# KiCad board m-blanc.kicad_pcb (continued)
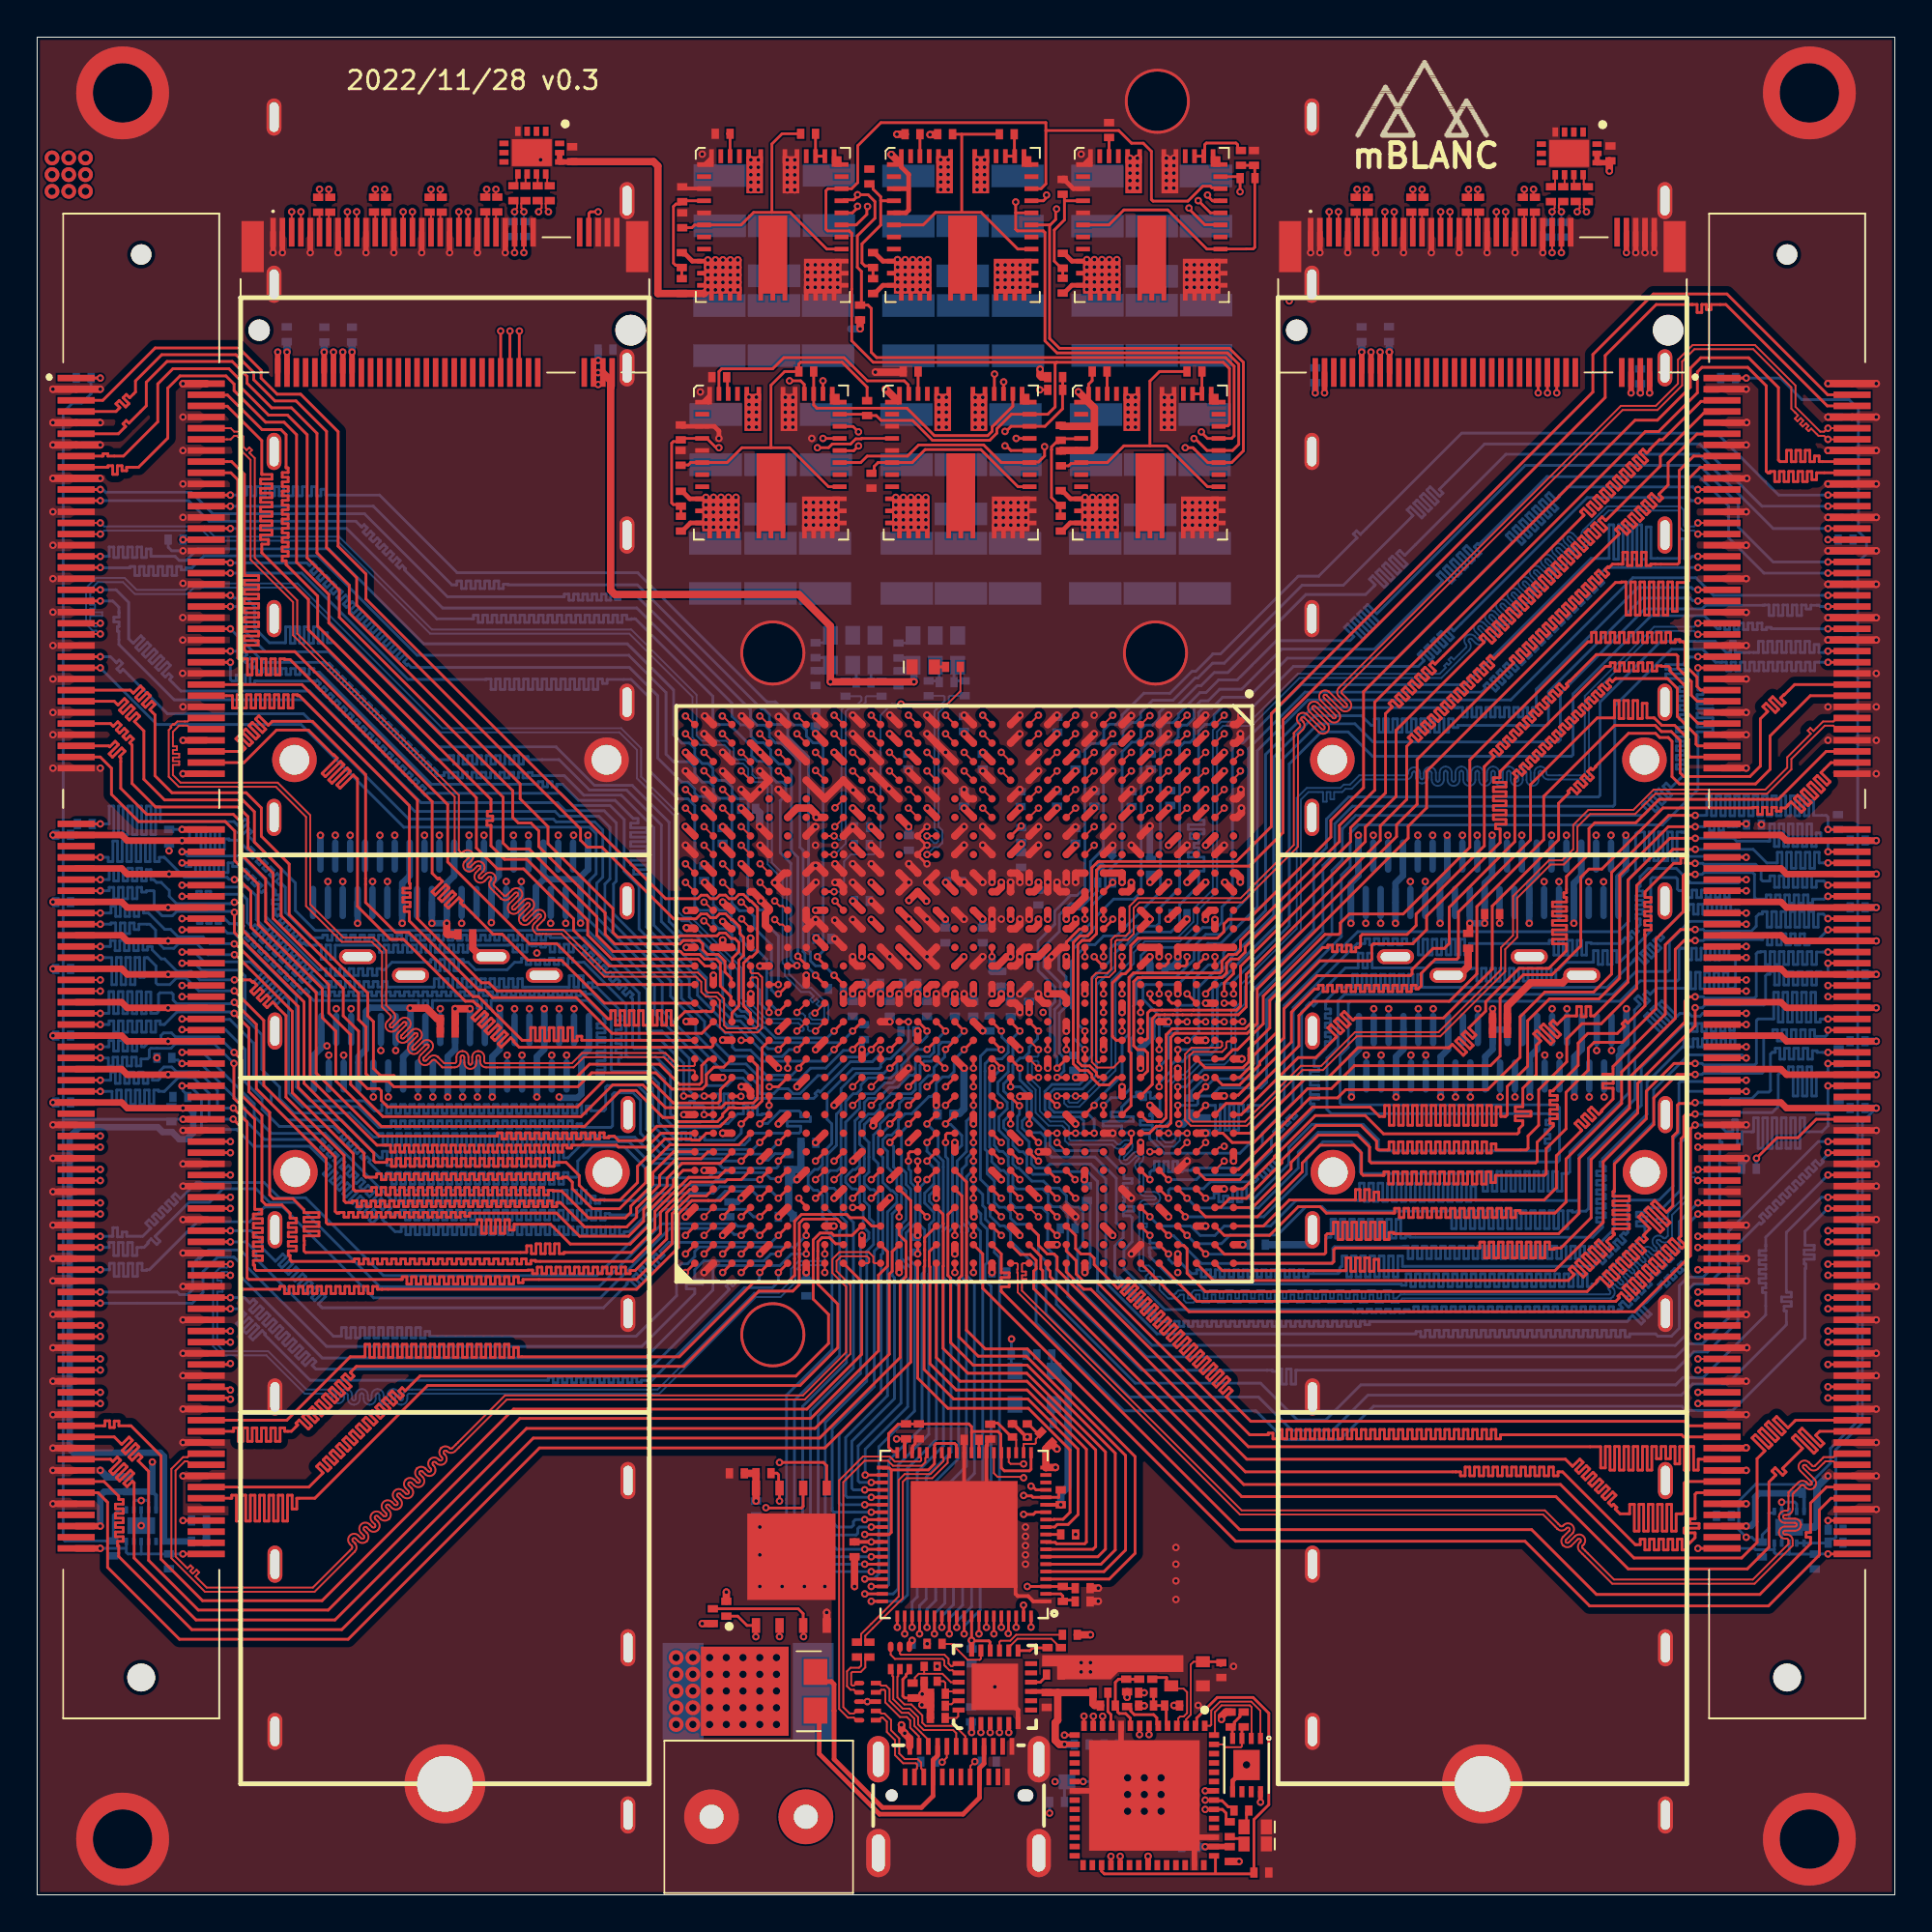
[diagram p0: board, top side]
## Routing (per net, layer and track width the routed paths; a pad name or vN(x,y) marks a point on that pad's centre or on a via; arc(x,y) is an arc through that point) (continued)
VIN: length 4.6
  Top Layer w0.15: VR6.40 38.63,92.8 v1(38.82,93) ; VR6.40 v1(38.42,92.59) ; VR6.40 38.82,92.4 v1(38.82,92.19) v1(38.82,91.79) ; VR6.40 38.63,92.39 ; VR6.40 v1(38.82,92.59) ; VR6.40 38.42,92.8 v1(38.42,93) v1(38.42,93.4) ; 38.63,92.39 38.63,91.99 v1(38.42,91.79) ; 38.63,92.39 v1(38.42,92.19) ; v1(53.97,81.02) 54.4,81.02 R39.2 ; v1(38.82,93.4) 38.95,93.53 VR6.40 38.95,93.67
  vias: v1(38.32,80.62) v1(38.32,80.22) v1(38.32,79.82) v1(38.32,79.41) v1(38.32,79.01) v1(38.72,80.62) v1(38.72,80.22) v1(38.72,79.82) v1(38.72,79.41) v1(38.72,79.01) v1(48.54,80.61) v1(48.54,80.21) v1(48.54,79.81) v1(48.54,79.41) v1(48.54,79) v1(48.64,93.41) v1(48.64,93.01) v1(48.64,92.6) v1(48.64,92.2) v1(48.64,91.8) v1(48.94,80.61) v1(48.94,80.21) v1(48.94,79.81) v1(48.94,79.41) v1(48.94,79) v1(49.04,93.41) v1(49.04,93.01) v1(49.04,92.6) v1(49.04,92.2) v1(49.04,91.8) v1(58.72,80.61) v1(58.72,80.21) v1(58.72,79.81) v1(58.72,79.41) v1(58.72,79) v1(58.83,93.48) v1(58.83,93.08) v1(58.83,92.68) v1(58.83,92.28) v1(58.82,91.88) v1(59.12,80.61) v1(59.12,80.21) v1(59.12,79.81) v1(59.12,79.41) v1(59.12,79) v1(59.23,93.48) v1(59.23,93.08) v1(59.23,92.68) v1(59.23,92.28) v1(59.22,91.88) v2(0.8,93.5) v2(0.8,92.6) v2(0.8,91.7) v2(1.7,93.5) v2(1.7,92.6) v2(1.7,91.7) v2(2.6,93.5) v2(2.6,92.6) v2(2.6,91.7) v2(34.4,12.77) v2(34.4,11.87) v2(34.4,10.97) v2(34.4,10.07) v2(34.4,9.17) v2(35.3,12.77) v2(35.3,11.87) v2(35.3,10.97) v2(35.3,10.07) v2(35.3,9.17) v2(36.2,12.77) v2(36.2,11.87) v2(36.2,10.97) v2(36.2,10.07) v2(36.2,9.17) v2(37.1,12.77) v2(37.1,11.87) v2(37.1,10.97) v2(37.1,10.07) v2(37.1,9.17) v2(38,12.77) v2(38,11.87) v2(38,10.97) v2(38,10.07) v2(38,9.17) v2(38.9,12.77) v2(38.9,11.87) v2(38.9,10.97) v2(38.9,10.07) v2(38.9,9.17) v2(39.8,12.77) v2(39.8,11.87) v2(39.8,10.97) v2(39.8,10.07) v2(39.8,9.17)
D1_N: length 11.6
  Top Layer w0.1: v1(59.85,8.62) 59.85,9.09 59.85,9.1
  InLayer2 (Signal) w0.1: v1(50.8,8.74) 50.8,8.67 50.94,8.54 50.94,8.3 51.24,8 52.6,8 53.73,9.13 55.65,9.13 56.98,7.8 59.42,7.8 59.71,8.09 59.71,8.42 59.85,8.56 v1(59.85,8.62)
D1_P: length 10.9
  Top Layer w0.1: v1(59.34,8.63) 59.34,9.09 59.35,9.1
  InLayer2 (Signal) w0.1: v1(51.3,8.74) 51.3,8.67 51.16,8.53 51.16,8.39 51.33,8.22 52.51,8.22 53.64,9.36 55.74,9.36 57.08,8.03 59.33,8.03 59.48,8.18 59.48,8.42 59.34,8.56 v1(59.34,8.63)
D2_N: length 18.6
  Top Layer w0.1: v1(53.1,22.45) 53.05,22.5 51.7,22.5 51.5,22.7 U4.25
  InLayer2 (Signal) w0.1: v1(51.8,8.74) 51.8,8.81 51.94,8.95 51.94,9.25 53.95,11.26 53.95,22.56 53.8,22.71 53.28,22.71 53.22,22.65 53.1,22.53 v1(53.1,22.45)
D2_P: length 18
  Top Layer w0.1: v1(52.3,8.74) 52.3,8.74 U2.5 ; v1(53.1,23.2) 52.4,23.2 52.3,23.3 U4.23
  InLayer2 (Signal) w0.1: v1(52.3,8.74) 52.3,8.81 52.16,8.95 52.16,9.16 54.17,11.17 54.17,22.66 53.89,22.94 53.28,22.94 53.22,23 53.22,23 53.1,23.12 v1(53.1,23.2)
D_N: length 4
  Top Layer w0.1: FL2.5 46.45,12.98 46.5,12.93 48.84,12.93 49.06,12.71 49.06,12.45 49.19,12.32 49.28,12.32 49.41,12.45 U2.19
D_P: length 4.6
  Top Layer w0.1: FL2.6 45.95,12.93 46.17,12.7 48.75,12.7 48.83,12.61 48.83,12.36 49.11,12.09 49.27,12.09 49.41,11.95 U2.20
DRAM1_A0: length 66.9
  Top Layer w0.15: v1(7.8,50.15) DIMM1.98 ; v1(37.9,39.5) U1.AG24
  Bottom Layer w0.15: v1(37.9,39.5) 37,39.5 36.88,39.62 33.33,39.62 32.17,40.79 30.11,40.79 30.11,40.9 29.86,40.9 29.86,40.79 29.61,40.79 29.61,40.98 29.36,40.98 29.36,40.77 29.11,40.77 29.11,40.98 28.86,40.98 28.86,40.35 28.61,40.35 28.61,40.98 28.36,40.98 28.36,40.35 28.11,40.35 28.11,40.98 27.86,40.98 27.86,40.35 27.61,40.35 27.61,40.98 27.36,40.98 27.36,40.35 27.11,40.35 27.11,40.98 26.86,40.98 26.86,40.35 26.61,40.35 26.61,40.98 26.36,40.98 26.36,40.35 26.11,40.35 26.11,40.98 25.86,40.98 25.86,40.35 25.61,40.35 25.61,40.98 25.36,40.98 25.36,40.35 25.11,40.35 25.11,40.98 24.86,40.98 24.86,40.35 24.61,40.35 24.61,40.98 24.36,40.98 24.36,40.35 24.11,40.35 24.11,40.98 23.86,40.98 23.86,40.35 23.61,40.35 23.61,40.98 23.36,40.98 23.36,40.35 23.11,40.35 23.11,40.98 22.86,40.98 22.86,40.35 22.61,40.35 22.61,40.98 22.36,40.98 22.36,40.35 22.11,40.35 22.11,40.98 21.86,40.98 21.86,40.35 21.61,40.35 21.61,40.98 21.36,40.98 21.36,40.35 21.11,40.35 21.11,40.98 20.86,40.98 20.86,40.35 20.61,40.35 20.61,40.98 20.36,40.98 20.36,40.35 20.11,40.35 20.11,40.98 19.86,40.98 19.86,40.35 19.61,40.35 19.61,40.98 19.36,40.98 19.36,40.35 19.11,40.35 19.11,40.98 18.86,40.98 18.86,40.35 18.61,40.35 18.61,40.98 18.36,40.98 18.36,40.79 18.11,40.79 16.81,42.09 13.81,42.09 13.05,42.85 13.05,43.48 12.09,44.44 12.09,46.31 11.2,47.2 11.2,49.46 10.88,49.78 8.84,49.78 8.47,50.15 v1(7.8,50.15)
DRAM1_A1: length 66.6
  Top Layer w0.15: U1.AH24 36.78,39.38 34.71,39.38 33.91,38.57 33.91,38.16 32.65,36.9 32.65,36.27 31.84,35.45 29.2,35.45 27.95,36.7 23.27,36.7 23.27,36.53 23.02,36.53 23.02,36.74 22.77,36.74 22.77,36.48 22.52,36.48 22.52,36.74 22.27,36.74 22.27,36.48 22.02,36.48 22.02,36.74 21.77,36.74 21.77,36.48 21.52,36.48 21.52,36.74 21.27,36.74 21.27,36.48 21.02,36.48 21.02,36.74 20.77,36.74 20.77,36.48 20.52,36.48 20.52,36.74 20.27,36.74 20.27,36.48 20.02,36.48 20.02,36.74 19.77,36.74 19.77,36.48 19.52,36.48 19.52,36.74 19.27,36.74 19.27,36.48 19.02,36.48 19.02,36.74 18.77,36.74 18.77,36.48 18.52,36.48 18.52,36.74 18.27,36.74 18.27,36.48 18.02,36.48 18.02,36.74 17.77,36.74 17.77,36.48 17.52,36.48 17.52,36.74 17.27,36.74 17.27,36.48 17.02,36.48 17.02,36.74 16.77,36.74 16.77,36.48 16.52,36.48 16.52,36.74 16.27,36.74 16.27,36.7 16.13,36.7 16.05,36.79 16.05,39.72 12.2,43.57 12.2,47.07 v1(10.61,48.66) ; DIMM1.97 v1(3.4,50.45)
  Bottom Layer w0.15: v1(10.61,48.66) 8.7,48.66 8.01,49.35 7.49,49.35 7.14,49 6.48,49 6.4,49.09 6.4,50 5.95,50.45 5.77,50.45 5.77,49.39 5.52,49.39 5.52,50.46 5.27,50.46 5.27,48.99 5.02,48.99 5.02,50.46 4.77,50.46 4.77,48.99 4.52,48.99 4.52,50.46 4.27,50.46 4.27,48.99 4.02,48.99 4.02,50.45 v1(3.4,50.45)
DRAM1_A2: length 66.8
  Top Layer w0.15: v1(39.9,40.5) U1.AE23 ; v1(7.8,50.75) DIMM1.96
  Bottom Layer w0.15: v1(7.8,50.75) 8.46,50.75 8.99,50.22 11.49,50.22 11.93,49.78 11.97,49.82 12.15,49.64 11.66,49.16 11.84,48.98 12.32,49.47 12.5,49.29 12.02,48.81 12.19,48.63 12.68,49.11 12.85,48.94 12.37,48.45 12.55,48.28 13.03,48.76 13.21,48.58 12.72,48.1 12.9,47.92 13.34,48.37 13.53,48.18 13.53,43.18 14.29,42.43 17.27,42.43 18.39,41.31 19.06,41.31 19.06,41.66 19.31,41.66 19.31,41.28 19.56,41.28 19.56,41.66 19.81,41.66 19.81,41.28 20.06,41.28 20.06,41.66 20.31,41.66 20.31,41.28 20.56,41.28 20.56,41.66 20.81,41.66 20.81,41.28 21.06,41.28 21.06,41.66 21.31,41.66 21.31,41.28 21.56,41.28 21.56,41.66 21.81,41.66 21.81,41.28 22.06,41.28 22.06,41.66 22.31,41.66 22.31,41.28 22.56,41.28 22.56,41.66 22.81,41.66 22.81,41.28 23.06,41.28 23.06,41.66 23.31,41.66 23.31,41.28 23.56,41.28 23.56,41.66 23.81,41.66 23.81,41.28 24.06,41.28 24.06,41.66 24.31,41.66 24.31,41.28 24.56,41.28 24.56,41.66 24.81,41.66 24.81,41.28 25.06,41.28 25.06,41.66 25.31,41.66 25.31,41.28 25.56,41.28 25.56,41.66 25.81,41.66 25.81,41.28 26.06,41.28 26.06,41.66 26.31,41.66 26.31,41.28 26.56,41.28 26.56,41.66 26.81,41.66 26.81,41.28 27.06,41.28 27.06,41.66 27.31,41.66 27.31,41.28 27.56,41.28 27.56,41.66 27.81,41.66 27.81,41.28 28.06,41.28 28.06,41.66 28.31,41.66 28.31,41.28 28.56,41.28 28.56,41.66 28.81,41.66 28.81,41.28 29.06,41.28 29.06,41.5 29.31,41.5 29.31,41.31 30.89,41.31 30.97,41.4 30.97,43.09 31.06,43.18 32.08,43.18 32.48,42.77 32.48,40.99 33.6,39.88 39.28,39.88 v1(39.9,40.5)
DRAM1_A3: length 67.7
  Top Layer w0.15: U1.AJ24 36.39,39.99 36.1,39.99 35.74,39.62 34.41,39.62 33.5,38.72 33.5,38.2 32.27,36.96 32.27,36.49 31.74,35.95 29.48,35.95 28.16,37.27 27.97,37.27 27.97,37.05 27.72,37.05 27.72,37.36 27.47,37.36 27.47,37.05 27.22,37.05 27.22,37.36 26.97,37.36 26.97,37.05 26.72,37.05 26.72,37.36 26.47,37.36 26.47,37.05 26.22,37.05 26.22,37.36 25.97,37.36 25.97,37.05 25.72,37.05 25.72,37.36 25.47,37.36 25.47,37.05 25.22,37.05 25.22,37.36 24.97,37.36 24.97,37.05 24.72,37.05 24.72,37.36 24.47,37.36 24.47,37.05 24.22,37.05 24.22,37.36 23.97,37.36 23.97,37.05 23.72,37.05 23.72,37.36 23.47,37.36 23.47,37.05 23.22,37.05 23.22,37.36 22.97,37.36 22.97,37.05 22.72,37.05 22.72,37.36 22.47,37.36 22.47,37.05 22.22,37.05 22.22,37.36 21.97,37.36 21.97,37.05 21.72,37.05 21.72,37.36 21.47,37.36 21.47,37.05 21.22,37.05 21.22,37.36 20.97,37.36 20.97,37.05 20.72,37.05 20.72,37.36 20.47,37.36 20.47,37.05 20.22,37.05 20.22,37.36 19.97,37.36 19.97,37.05 19.72,37.05 19.72,37.36 19.47,37.36 19.47,37.05 19.22,37.05 19.22,37.36 18.97,37.36 18.97,37.05 18.72,37.05 18.72,37.36 18.47,37.36 18.47,37.05 18.22,37.05 18.22,37.36 17.97,37.36 17.97,37.05 17.72,37.05 17.72,37.36 17.47,37.36 17.47,37.05 17.22,37.05 17.22,37.36 16.97,37.36 16.97,37.27 16.61,37.27 16.52,37.36 16.52,39.81 13.39,42.94 13.39,47.33 12.85,47.87 12.86,47.88 12.68,48.06 12.38,47.76 12.2,47.93 12.53,48.27 12.36,48.44 12.02,48.11 11.85,48.29 12.18,48.62 12,48.8 11.67,48.46 11.49,48.64 11.83,48.97 11.65,49.15 11.61,49.11 11.47,49.25 v1(10.62,49.25) ; DIMM1.95 v1(3.4,51.05)
  Bottom Layer w0.15: v1(3.4,51.05) 3.95,51.05 3.95,51.37 4.2,51.37 4.2,50.83 4.45,50.83 4.45,51.37 4.7,51.37 4.7,50.83 4.95,50.83 4.95,51.37 5.2,51.37 5.2,50.83 5.45,50.83 5.45,51.37 5.7,51.37 5.7,50.86 5.95,50.86 5.95,51.05 6.19,51.05 6.19,50.88 6.69,50.38 6.86,50.38 7.53,49.72 8.29,49.72 8.75,49.25 v1(10.62,49.25)
DRAM1_A4: length 65.6
  Top Layer w0.15: v1(7.8,51.95) DIMM1.92 ; v1(38.9,40.5) U1.AF23
  Bottom Layer w0.15: v1(38.9,40.5) 38.53,40.12 33.89,40.12 32.8,41.22 32.8,43.1 32.33,43.57 30.69,43.57 30.6,43.48 30.6,42.3 30.52,42.21 29.81,42.21 29.81,42.46 29.56,42.46 29.56,42.06 29.31,42.06 29.31,42.54 29.06,42.54 29.06,42.06 28.81,42.06 28.81,42.54 28.56,42.54 28.56,42.06 28.31,42.06 28.31,42.54 28.06,42.54 28.06,42.06 27.81,42.06 27.81,42.54 27.56,42.54 27.56,42.06 27.31,42.06 27.31,42.54 27.06,42.54 27.06,42.06 26.81,42.06 26.81,42.54 26.56,42.54 26.56,42.06 26.31,42.06 26.31,42.54 26.06,42.54 26.06,42.06 25.81,42.06 25.81,42.54 25.56,42.54 25.56,42.06 25.31,42.06 25.31,42.54 25.06,42.54 25.06,42.06 24.81,42.06 24.81,42.54 24.56,42.54 24.56,42.06 24.31,42.06 24.31,42.54 24.06,42.54 24.06,42.06 23.81,42.06 23.81,42.54 23.56,42.54 23.56,42.06 23.31,42.06 23.31,42.54 23.06,42.54 23.06,42.06 22.81,42.06 22.81,42.54 22.56,42.54 22.56,42.06 22.31,42.06 22.31,42.54 22.06,42.54 22.06,42.06 21.81,42.06 21.81,42.54 21.56,42.54 21.56,42.06 21.31,42.06 21.31,42.54 21.06,42.54 21.06,42.06 20.81,42.06 20.81,42.54 20.56,42.54 20.56,42.06 20.31,42.06 20.31,42.54 20.06,42.54 20.06,42.06 19.81,42.06 19.81,42.54 19.56,42.54 19.56,42.06 19.31,42.06 19.31,42.54 19.06,42.54 19.06,42.06 18.81,42.06 18.81,42.54 18.56,42.54 18.56,42.21 18.16,42.21 17.62,42.74 14.7,42.74 13.95,43.49 13.95,48.41 10.6,51.76 10.26,51.76 10.07,51.95 v1(7.8,51.95)
DRAM1_A5: length 64.4
  Top Layer w0.15: U1.AK24 34.26,40 33.15,38.88 33.15,38.27 31.96,37.07 31.96,36.73 31.66,36.44 29.68,36.44 28.23,37.89 27.76,37.89 27.76,37.93 27.51,37.93 27.51,37.68 27.26,37.68 27.26,38.08 27.01,38.08 27.01,37.68 26.76,37.68 26.76,38.08 26.51,38.08 26.51,37.68 26.26,37.68 26.26,38.08 26.01,38.08 26.01,37.68 25.76,37.68 25.76,38.08 25.51,38.08 25.51,37.68 25.26,37.68 25.26,38.08 25.01,38.08 25.01,37.68 24.76,37.68 24.76,38.08 24.51,38.08 24.51,37.68 24.26,37.68 24.26,38.08 24.01,38.08 24.01,37.68 23.76,37.68 23.76,38.08 23.51,38.08 23.51,37.68 23.26,37.68 23.26,38.08 23.01,38.08 23.01,37.68 22.76,37.68 22.76,38.08 22.51,38.08 22.51,37.68 22.26,37.68 22.26,38.08 22.01,38.08 22.01,37.68 21.76,37.68 21.76,38.08 21.51,38.08 21.51,37.68 21.26,37.68 21.26,38.08 21.01,38.08 21.01,37.68 20.76,37.68 20.76,38.08 20.51,38.08 20.51,37.68 20.26,37.68 20.26,38.08 20.01,38.08 20.01,37.68 19.76,37.68 19.76,38.08 19.51,38.08 19.51,37.68 19.26,37.68 19.26,38.08 19.01,38.08 19.01,37.68 18.76,37.68 18.76,38.08 18.51,38.08 18.51,37.68 18.26,37.68 18.26,38.08 18.01,38.08 18.01,37.89 17.11,37.89 17.02,37.98 17.02,39.89 13.73,43.18 13.73,47.55 10.68,50.61 v1(10.62,50.61) ; DIMM1.91 v1(3.4,52.25)
  Bottom Layer w0.15: v1(10.62,50.61) 9.19,50.61 8.6,51.2 7.61,51.2 7.36,50.95 6.82,50.95 6.37,51.39 6.37,51.94 6.06,52.25 5.48,52.25 5.48,51.96 5.23,51.96 5.23,52.32 4.98,52.32 4.98,51.74 4.73,51.74 4.73,52.32 4.48,52.32 4.48,51.74 4.23,51.74 4.23,52.32 3.98,52.32 3.98,52.25 v1(3.4,52.25)
DRAM1_A6: length 65.4
  Top Layer w0.15: v1(38.9,41.5) U1.AF22 ; v1(7.8,52.55) DIMM1.90
  Bottom Layer w0.15: v1(7.8,52.55) 8.38,52.55 8.38,52.61 8.63,52.61 8.63,52.29 8.88,52.29 8.88,52.61 9.13,52.61 9.13,52.29 9.38,52.29 9.38,52.61 9.63,52.61 9.63,52.29 9.88,52.29 9.88,52.55 10.09,52.55 10.36,52.28 10.75,52.28 10.82,52.21 10.95,52.33 11.13,52.16 10.84,51.87 11.02,51.7 11.2,51.88 11.38,51.7 11.2,51.52 11.37,51.34 11.53,51.5 11.71,51.32 11.55,51.17 11.73,50.99 11.88,51.14 12.06,50.97 11.9,50.81 12.08,50.64 12.24,50.79 12.41,50.61 12.26,50.46 12.43,50.28 12.59,50.44 12.77,50.26 12.61,50.11 12.79,49.93 12.94,50.08 13.12,49.91 12.96,49.75 13.14,49.58 13.3,49.73 13.47,49.55 13.32,49.4 13.49,49.22 13.65,49.38 13.83,49.2 13.67,49.04 13.85,48.87 14,49.02 14.18,48.85 14.03,48.69 14.2,48.51 14.46,48.77 14.63,48.59 14.53,48.49 14.88,48.15 20.53,48.15 20.53,47.73 20.78,47.73 20.78,48.15 21.03,48.15 21.03,47.73 21.28,47.73 21.28,48.15 23.69,48.15 23.69,47.72 23.94,47.72 23.94,48.15 24.19,48.15 24.19,47.72 24.44,47.72 24.44,48.15 29.63,48.15 30.5,47.28 30.5,47.15 30.57,47.15 30.57,46.9 30.14,46.9 30.14,46.65 30.57,46.65 30.57,46.4 30.14,46.4 30.14,46.15 30.57,46.15 30.57,45.9 30.14,45.9 30.14,45.65 30.57,45.65 30.57,45.4 30.14,45.4 30.14,45.15 30.57,45.15 30.57,44.9 30.14,44.9 30.14,44.65 30.57,44.65 30.57,44.4 30.14,44.4 30.14,44.15 30.5,44.15 30.5,44.04 30.59,43.96 32.6,43.96 33.13,43.43 33.13,41.44 34.19,40.38 38.08,40.38 38.36,40.66 38.36,40.92 38.45,41 41.01,41 41.1,41.09 41.1,41.38 40.38,41.38 40.38,41.63 41.63,41.63 41.63,41.88 41.1,41.88 41.1,42.11 41.01,42.2 40,42.2 39.32,41.52 38.92,41.52 v1(38.9,41.5)
DRAM1_A7: length 64.7
  Top Layer w0.15: v1(37.9,41.5) U1.AG22 ; v1(7.8,53.75) DIMM1.86
  Bottom Layer w0.15: v1(37.9,41.5) 37.9,41 37.53,40.62 35.93,40.62 35.93,40.79 35.68,40.79 35.68,40.62 35.43,40.62 35.43,41.05 35.18,41.05 35.18,40.62 34.93,40.62 34.93,41.05 34.68,41.05 34.68,40.62 34.41,40.62 33.45,41.58 33.45,43.68 32.81,44.33 30.99,44.33 30.9,44.42 30.9,47.48 29.89,48.49 29.52,48.49 29.52,48.61 29.27,48.61 29.27,48.4 29.02,48.4 29.02,48.61 28.77,48.61 28.77,48.4 28.52,48.4 28.52,48.61 28.27,48.61 28.27,48.4 28.02,48.4 28.02,48.61 27.77,48.61 27.77,48.4 27.52,48.4 27.52,48.61 27.27,48.61 27.27,48.4 27.02,48.4 27.02,48.61 26.77,48.61 26.77,48.4 26.52,48.4 26.52,48.61 26.27,48.61 26.27,48.4 26.02,48.4 26.02,48.61 25.77,48.61 25.77,48.4 25.52,48.4 25.52,48.61 25.27,48.61 25.27,48.4 25.02,48.4 25.02,48.61 24.77,48.61 24.77,48.4 24.52,48.4 24.52,48.61 24.27,48.61 24.27,48.4 24.02,48.4 24.02,48.61 23.77,48.61 23.77,48.4 23.52,48.4 23.52,48.61 23.27,48.61 23.27,48.4 23.02,48.4 23.02,48.61 22.77,48.61 22.77,48.4 22.52,48.4 22.52,48.61 22.27,48.61 22.27,48.4 22.02,48.4 22.02,48.61 21.77,48.61 21.77,48.4 21.52,48.4 21.52,48.61 21.27,48.61 21.27,48.4 21.02,48.4 21.02,48.61 20.77,48.61 20.77,48.4 20.52,48.4 20.52,48.61 20.27,48.61 20.27,48.4 20.02,48.4 20.02,48.61 19.77,48.61 19.77,48.4 19.52,48.4 19.52,48.61 19.27,48.61 19.27,48.4 19.02,48.4 19.02,48.61 18.77,48.61 18.77,48.4 18.52,48.4 18.52,48.61 18.27,48.61 18.27,48.4 18.02,48.4 18.02,48.61 17.77,48.61 17.77,48.4 17.52,48.4 17.52,48.61 17.27,48.61 17.27,48.4 17.02,48.4 17.02,48.61 16.77,48.61 16.77,48.4 16.52,48.4 16.52,48.61 16.27,48.61 16.27,48.4 16.02,48.4 16.02,48.61 15.77,48.61 15.77,48.4 15.52,48.4 15.52,48.61 15.27,48.61 15.27,48.49 15.16,48.49 14.58,49.07 14.73,49.22 14.56,49.39 14.27,49.11 14.09,49.29 14.38,49.57 14.2,49.75 13.92,49.46 13.74,49.64 14.03,49.92 13.85,50.1 13.56,49.82 13.39,49.99 13.67,50.28 13.49,50.45 13.21,50.17 13.03,50.35 13.32,50.63 13.14,50.81 12.86,50.52 12.68,50.7 12.96,50.98 12.79,51.16 12.5,50.88 12.33,51.05 12.61,51.34 12.43,51.51 12.15,51.23 11.97,51.41 12.26,51.69 12.08,51.87 11.8,51.58 11.62,51.76 11.9,52.04 11.73,52.22 11.58,52.07 11.3,52.35 11.3,53.59 11.03,53.86 9.96,53.86 9.85,53.75 9.59,53.75 9.59,53.7 9.34,53.7 9.34,54.02 9.09,54.02 9.09,53.7 8.84,53.7 8.84,54.02 8.59,54.02 8.59,53.7 8.34,53.7 8.34,53.75 v1(7.8,53.75)
DRAM1_A8: length 65.1
  Top Layer w0.15: 10.6,51.14 10.72,51.14 10.79,51.08 10.79,51.08 14.06,47.81 14.06,43.45 17.6,39.91 17.6,38.72 17.69,38.63 18.28,38.63 18.28,38.81 18.53,38.81 18.53,38.49 18.78,38.49 18.78,38.81 19.03,38.81 19.03,38.49 19.28,38.49 19.28,38.81 19.53,38.81 19.53,38.49 19.78,38.49 19.78,38.81 20.03,38.81 20.03,38.49 20.28,38.49 20.28,38.81 20.53,38.81 20.53,38.49 20.78,38.49 20.78,38.81 21.03,38.81 21.03,38.49 21.28,38.49 21.28,38.81 21.53,38.81 21.53,38.49 21.78,38.49 21.78,38.81 22.03,38.81 22.03,38.49 22.28,38.49 22.28,38.81 22.53,38.81 22.53,38.49 22.78,38.49 22.78,38.81 23.03,38.81 23.03,38.49 23.28,38.49 23.28,38.81 23.53,38.81 23.53,38.49 23.78,38.49 23.78,38.81 24.03,38.81 24.03,38.49 24.28,38.49 24.28,38.81 24.53,38.81 24.53,38.49 24.78,38.49 24.78,38.81 25.03,38.81 25.03,38.49 25.28,38.49 25.28,38.81 25.53,38.81 25.53,38.49 25.78,38.49 25.78,38.81 26.03,38.81 26.03,38.49 26.28,38.49 26.28,38.81 26.53,38.81 26.53,38.49 26.78,38.49 26.78,38.81 27.03,38.81 27.03,38.49 27.28,38.49 27.28,38.81 27.52,38.81 27.52,38.49 27.77,38.49 27.77,38.81 28.02,38.81 28.02,38.57 28.27,38.57 28.27,38.63 28.54,38.63 28.81,38.36 28.81,38.01 29.88,36.93 31.35,36.93 32.76,38.34 32.76,39.08 34.06,40.38 37.78,40.38 U1.AG23 ; DIMM1.89 v1(3.4,52.85)
  Bottom Layer w0.15: v1(3.4,52.85) 3.98,52.85 3.98,53.22 4.23,53.22 4.23,52.67 4.48,52.67 4.48,53.22 4.73,53.22 4.73,52.67 4.98,52.67 4.98,53.22 5.23,53.22 5.23,52.67 5.48,52.67 5.48,53.22 5.73,53.22 5.73,52.85 5.99,52.85 6.87,51.97 7.18,51.97 7.58,51.58 8.92,51.58 9.3,51.2 10.6,51.2 v1(10.61,51.19)
DRAM1_A9: length 67.1
  Top Layer w0.15: U1.AJ23 36.4,41 36.02,41 35.64,40.62 35.24,40.62 35.19,40.68 33.78,40.68 32.32,39.22 32.32,38.34 31.37,37.4 29.98,37.4 29.18,38.2 29.18,38.72 28.47,39.43 27.82,39.43 27.82,39.21 27.57,39.21 27.57,39.64 27.32,39.64 27.32,39.21 27.07,39.21 27.07,39.64 26.82,39.64 26.82,39.21 26.57,39.21 26.57,39.64 26.32,39.64 26.32,39.21 26.07,39.21 26.07,39.64 25.82,39.64 25.82,39.21 25.57,39.21 25.57,39.64 25.32,39.64 25.32,39.21 25.07,39.21 25.07,39.64 24.82,39.64 24.82,39.21 24.57,39.21 24.57,39.64 24.32,39.64 24.32,39.21 24.07,39.21 24.07,39.64 23.82,39.64 23.82,39.21 23.57,39.21 23.57,39.64 23.32,39.64 23.32,39.21 23.07,39.21 23.07,39.64 22.82,39.64 22.82,39.21 22.57,39.21 22.57,39.64 22.32,39.64 22.32,39.21 22.07,39.21 22.07,39.64 21.82,39.64 21.82,39.21 21.57,39.21 21.57,39.64 21.32,39.64 21.32,39.21 21.07,39.21 21.07,39.64 20.82,39.64 20.82,39.21 20.57,39.21 20.57,39.64 20.32,39.64 20.32,39.21 20.07,39.21 20.07,39.64 19.82,39.64 19.82,39.21 19.57,39.21 19.57,39.64 19.32,39.64 19.32,39.21 19.07,39.21 19.07,39.58 18.82,39.58 18.82,39.43 18.21,39.43 18.12,39.52 18.12,39.93 14.37,43.69 14.37,48.06 10.62,51.81 v1(10.62,52.89) ; DIMM1.85 v1(3.4,54.05)
  Bottom Layer w0.15: v1(3.4,54.05) 3.88,54.05 3.88,54.23 4.13,54.23 4.13,53.62 4.38,53.62 4.38,54.23 4.63,54.23 4.63,53.62 4.88,53.62 4.88,54.23 5.13,54.23 5.13,53.62 5.38,53.62 5.38,54.23 5.63,54.23 5.63,53.98 5.88,53.98 5.88,54.05 6.27,54.05 6.3,54.02 6.3,53.13 6.73,52.7 7.27,52.7 7.51,52.94 10.44,52.94 10.45,52.94 10.59,52.94 10.64,52.89
DRAM1_A10: length 63.8
  Top Layer w0.15: U1.AK25 34.77,39 34.26,38.48 34.26,38.15 32.95,36.85 32.95,36.06 31.92,35.03 28.7,35.03 27.63,36.1 25.68,36.1 25.68,35.78 25.43,35.78 25.43,36.34 25.18,36.34 25.18,35.61 24.93,35.61 24.93,36.34 24.68,36.34 24.68,35.61 24.43,35.61 24.43,36.34 24.18,36.34 24.18,35.61 23.93,35.61 23.93,36.34 23.68,36.34 23.68,36.1 15.65,36.1 15.56,36.19 15.56,39.63 11.8,43.39 11.8,46.86 v1(10.61,48.05) ; DIMM1.107 v1(3.4,47.45)
  Bottom Layer w0.15: v1(10.61,48.05) 10.57,48 10.43,48 10.4,47.97 7.52,47.97 7.32,48.16 7.32,48.47 7.23,48.56 6.62,48.56 6.53,48.47 6.53,47.54 6.44,47.45 6.12,47.45 6.12,48.6 5.87,48.6 5.87,47.44 5.62,47.44 5.62,48.62 5.37,48.62 5.37,47.44 5.12,47.44 5.12,48.62 4.87,48.62 4.87,47.44 4.62,47.44 4.62,48.62 4.37,48.62 4.37,47.44 4.12,47.44 4.12,48.62 3.87,48.62 3.87,47.45 v1(3.4,47.45)
DRAM1_A11: length 67.1
  Top Layer w0.15: v1(7.8,54.35) DIMM1.84 ; v1(39.4,42.5) U1.AF21
  Bottom Layer w0.15: v1(7.8,54.35) 9.91,54.35 10.01,54.25 11.32,54.25 11.8,53.77 11.8,52.51 12.41,51.89 12.57,52.05 12.74,51.87 12.59,51.71 12.76,51.54 12.92,51.69 13.1,51.52 12.94,51.36 13.12,51.18 13.28,51.34 13.45,51.16 13.29,51.01 13.47,50.83 13.63,50.99 13.81,50.81 13.65,50.65 13.82,50.48 13.98,50.63 14.16,50.46 14,50.3 14.18,50.12 14.34,50.28 14.51,50.1 14.36,49.95 14.53,49.77 14.69,49.93 14.87,49.75 14.71,49.59 15.44,48.86 15.59,48.86 15.59,49.16 15.84,49.16 15.84,48.86 16.09,48.86 16.09,49.16 16.34,49.16 16.34,48.86 16.59,48.86 16.59,49.16 16.84,49.16 16.84,48.86 17.09,48.86 17.09,49.16 17.34,49.16 17.34,48.86 17.59,48.86 17.59,49.16 17.84,49.16 17.84,48.86 18.09,48.86 18.09,49.16 18.34,49.16 18.34,48.86 18.59,48.86 18.59,49.16 18.84,49.16 18.84,48.86 21.38,48.86 21.38,49.32 21.63,49.32 21.63,48.86 21.88,48.86 21.88,49.32 22.13,49.32 22.13,48.86 22.38,48.86 22.38,49.32 22.63,49.32 22.63,48.86 22.88,48.86 22.88,49.32 23.13,49.32 23.13,48.86 23.38,48.86 23.38,49.32 23.63,49.32 23.63,48.86 23.88,48.86 23.88,49.32 24.13,49.32 24.13,48.86 24.38,48.86 24.38,49.32 24.63,49.32 24.63,48.86 24.88,48.86 24.88,49.32 25.13,49.32 25.13,48.86 25.38,48.86 25.38,49.32 25.63,49.32 25.63,48.86 25.88,48.86 25.88,49.32 26.13,49.32 26.13,48.86 28.64,48.86 28.64,49.48 28.89,49.48 28.89,48.86 29.14,48.86 29.14,49.48 29.39,49.48 29.39,48.86 29.64,48.86 29.64,49.1 29.89,49.1 29.89,48.86 30.13,48.86 31.3,47.69 31.3,47.32 31.45,47.32 31.45,47.07 31.15,47.07 31.15,46.82 31.45,46.82 31.45,46.57 31.15,46.57 31.15,46.32 31.45,46.32 31.45,46.07 31.15,46.07 31.15,45.82 31.45,45.82 31.45,45.57 31.15,45.57 31.15,45.32 31.45,45.32 31.45,45.07 31.3,45.07 31.3,44.79 31.39,44.7 33,44.7 33.78,43.92 33.78,41.82 34.3,41.3 36.65,41.3 36.87,41.51 37.18,41.51 37.71,42.04 38.02,42.04 38.02,42.46 38.27,42.46 38.27,41.99 38.52,41.99 38.52,42.46 38.77,42.46 38.77,41.99 39.02,41.99 39.02,42.04 39.31,42.04 39.4,42.13 v1(39.4,42.5)
DRAM1_A12: length 64.4
  Top Layer w0.15: U1.AK23 33.57,41 32.82,40.25 31.29,40.25 31.19,40.36 28.78,40.36 28.78,40.2 28.53,40.2 28.53,40.36 28.28,40.36 28.28,39.98 28.03,39.98 28.03,40.36 27.78,40.36 27.78,39.98 27.53,39.98 27.53,40.36 27.28,40.36 27.28,39.98 27.03,39.98 27.03,40.36 26.78,40.36 26.78,39.98 26.53,39.98 26.53,40.36 26.28,40.36 26.28,39.98 26.03,39.98 26.03,40.36 25.78,40.36 25.78,39.98 25.53,39.98 25.53,40.36 25.28,40.36 25.28,39.98 25.03,39.98 25.03,40.36 24.78,40.36 24.78,39.98 24.53,39.98 24.53,40.36 24.28,40.36 24.28,39.98 24.03,39.98 24.03,40.36 23.78,40.36 23.78,39.98 23.53,39.98 23.53,40.36 23.28,40.36 23.28,39.98 23.03,39.98 23.03,40.36 22.78,40.36 22.78,39.98 22.53,39.98 22.53,40.36 22.28,40.36 22.28,39.98 22.03,39.98 22.03,40.36 21.78,40.36 21.78,39.98 21.53,39.98 21.53,40.36 21.28,40.36 21.28,39.98 21.03,39.98 21.03,40.36 20.78,40.36 20.78,39.98 20.53,39.98 20.53,40.36 20.28,40.36 20.28,39.98 20.03,39.98 20.03,40.36 19.78,40.36 19.78,39.98 19.53,39.98 19.53,40.36 19.28,40.36 19.28,39.98 19.03,39.98 19.03,40.36 18.78,40.36 18.78,40.36 18.29,40.36 14.69,43.95 14.69,48.29 11.08,51.9 11.08,53.25 10.91,53.42 10.63,53.42 v1(10.62,53.43) ; DIMM1.83 v1(3.4,54.65)
  Bottom Layer w0.15: 10.61,53.43 10.56,53.38 10.43,53.38 10.4,53.35 7.51,53.35 7.11,53.75 7.11,54.07 6.68,54.5 6.42,54.5 6.27,54.65 6.13,54.65 6.13,55.19 5.88,55.19 5.88,54.58 5.63,54.58 5.63,55.26 5.38,55.26 5.38,54.58 5.13,54.58 5.13,55.26 4.88,55.26 4.88,54.58 4.63,54.58 4.63,55.26 4.38,55.26 4.38,54.58 4.13,54.58 4.13,55.26 3.88,55.26 3.88,54.65 v1(3.4,54.65)
DRAM1_A13: length 63.6
  Top Layer w0.15: U1.AJ26 36.02,37.62 35.14,37.62 34.18,36.66 34.18,35.05 32.26,33.13 26.15,33.13 26.15,32.95 25.9,32.95 25.9,33.27 25.65,33.27 25.65,32.88 25.4,32.88 25.4,33.27 25.15,33.27 25.15,32.88 24.9,32.88 24.9,33.27 24.65,33.27 24.65,32.88 24.4,32.88 24.4,33.27 24.15,33.27 24.15,32.88 23.9,32.88 23.9,33.27 23.65,33.27 23.65,32.88 23.4,32.88 23.4,33.27 23.15,33.27 23.15,32.88 22.9,32.88 22.9,33.27 22.65,33.27 22.65,32.88 22.4,32.88 22.4,33.27 22.15,33.27 22.15,32.88 21.9,32.88 21.9,33.27 21.65,33.27 21.65,32.88 21.4,32.88 21.4,33.27 21.15,33.27 21.15,32.88 20.9,32.88 20.9,33.27 20.65,33.27 20.65,32.88 20.4,32.88 20.4,33.27 20.15,33.27 20.15,32.88 19.9,32.88 19.9,33.27 19.65,33.27 19.65,33.13 11.39,33.13 11.3,33.21 11.3,41.61 v1(10.56,42.35) ; DIMM1.119 v1(3.4,43.85)
  Bottom Layer w0.15: v1(10.56,42.35) 9.79,42.35 9.7,42.44 9.7,43.3 8.7,44.31 7.5,44.31 7.25,44.56 6.82,44.56 6.6,44.34 6.6,43.94 6.51,43.85 6.21,43.85 6.21,44.22 5.96,44.22 5.96,43.68 5.71,43.68 5.71,44.29 5.46,44.29 5.46,43.68 5.21,43.68 5.21,44.29 4.96,44.29 4.96,43.68 4.71,43.68 4.71,44.29 4.46,44.29 4.46,43.68 4.21,43.68 4.21,44.29 3.96,44.29 3.96,43.85 v1(3.4,43.85)
DRAM1_A14: length 64.7